# Altium PCB Pleiades_PP.PcbDoc (part 6 of 15) (continued)
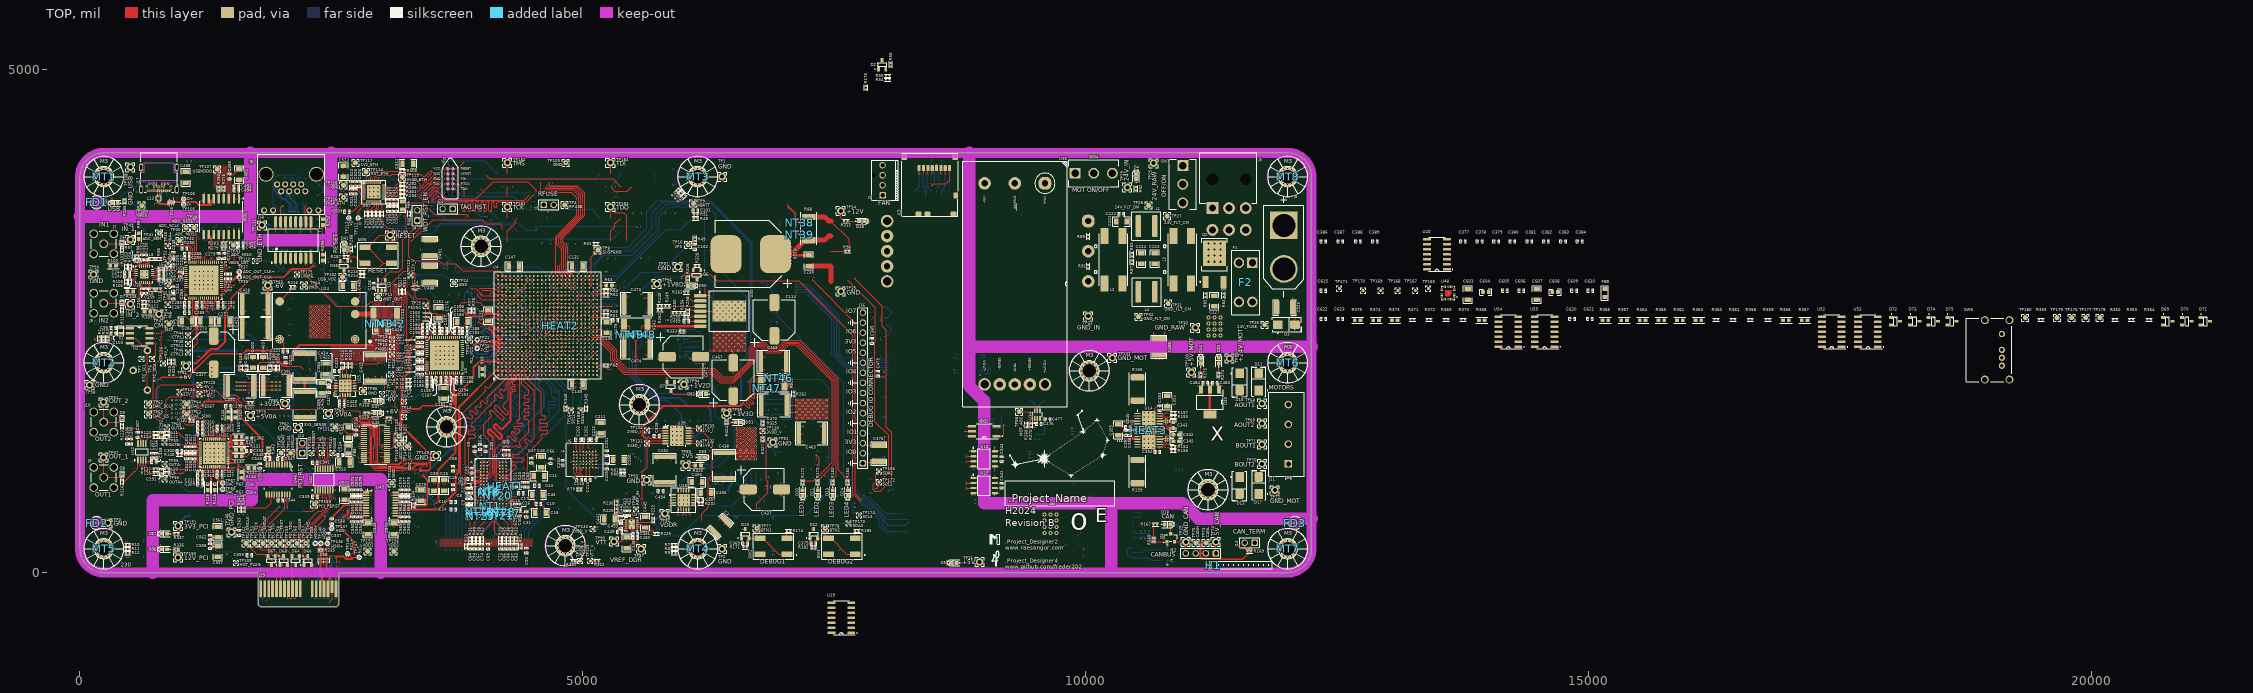
[diagram p0: TOP view]
## Nets (pads, with @x,y where several pads share a name; then routed paths per layer and width w, separated by ;. In a path a pad name is that pad's centre, name@x,y a point inside that pad or via, vN(x,y) a via of type N, cw(c..) or ccw(c..) an arc to the next point about the centre after c; other vN are vias at no path point) (continued)
\CF: U4.AA17 U6.D1 | length 2899.4
  TOP w5.95: v1(4990,1015) 4990,1030 U6.D1@5003.5,1043.5
  TOP w8.89: v1(4925.2,2574.8) U4.AA17@4944.88,2594.49
  IN2 w3.68: v1(4925.2,2574.8) 4896.67,2603.33 4818.33,2603.33 4755.74,2540.74 4755.74,2489.26 4793.85,2451.15 4793.85,1152.97 4810.09,1136.73 4810.09,1093.65 4810.09,1040.09 4793.85,1023.85 4793.85,1005.76 cw(c4783.02,1005.76) 4783.02,994.92 4759.58,994.92 ccw(c4759.58,984.08) 4759.58,973.24 4800.39,973.24 cw(c4800.39,962.4) 4800.39,951.56 4747.35,951.56 ccw(c4747.35,940.72) 4747.35,929.89 4800.39,929.89 cw(c4800.39,919.05) 4800.39,908.21 4747.35,908.21 ccw(c4747.35,897.37) 4747.35,886.53 4823.02,886.53 cw(c4823.02,875.69) 4823.02,864.85 4747.35,864.85 ccw(c4747.35,854.02) 4747.35,843.18 4819.16,843.18 cw(c4819.16,824.68) 4832.24,837.76 4834.08,835.92 4845,825 4970,825 5000,855 5000,975 4990,985 v1(4990,1015)
\CS: TP65.1 U4.R3 U11.33 | length 6853.3
  TOP w5: v1(2790,1525) 2860,1525 2945,1440 2945,1103.69 2976.69,1072 3174.57,1072 3196.07,1093.5 3447.81,1093.5 3451.31,1090 v1(3465,1090)
  TOP w8.89: U4.R3@4708.66,2043.31 v1(4728.35,2062.99)
  TOP w10: v1(1280,1405) 1280,1404.46 1278,1402.46 1278,1366.1 1285.59,1358.5 U11.33@1285.59,1327.01
  IN1 w5: v1(3465,1090) 3511.71,1090 3696.18,905.53 3696.18,903.82 3888.93,711.07 3888.93,624.74 4068.67,445 4589.69,445 4925,780.31 4925,1021.98 4936.26,1033.25 4936.26,1205.34 4925.25,1216.35 4925.25,1683.37 4870,1738.62 4870,1921.34 v1(4728.35,2062.99)
  IN1 w10: v1(680,1575) 975,1280 1212.15,1280 1279.91,1347.75 1279.91,1404.91 v1(1280,1405)
  IN2 w5: v1(1280,1405) 1380,1505 1970,1505 2008.36,1543.36 2771.64,1543.36 v1(2790,1525)
\DDR_CS: NT4.2 U1.L2 U4.K8 | length 2888.5
  TOP w8.89: v1(4000,763.78) U1.L2@4015.75,779.53 ; v1(4495,2225) 4495.59,2225.59 4497.25,2225.59 U4.K8@4511.81,2240.16
  IN2 w5.75: v1(4000,763.78) 3980.38,783.4 3980.38,1085.38 4047.48,1152.48 4047.48,1393.84 4047.48,1397.91 ccw(c4027.2,1397.91) 4041.55,1412.24 4023.3,1430.49 cw(c4031.7,1438.89) 4023.3,1447.29 cw(c4031.7,1438.89) 4040.1,1447.29 4077.81,1409.57 ccw(c4086.21,1417.97) 4094.61,1409.57 ccw(c4086.21,1417.97) 4094.61,1426.37 4056.9,1464.09 cw(c4065.29,1472.48) 4056.9,1480.88 cw(c4065.29,1472.48) 4073.69,1480.88 4111.41,1443.17 ccw(c4119.8,1451.57) 4128.2,1443.17 ccw(c4119.8,1451.57) 4128.2,1459.97 4090.49,1497.68 cw(c4098.89,1506.08) 4090.49,1514.48 cw(c4098.89,1506.08) 4107.29,1514.48 4145,1476.76 ccw(c4153.4,1485.16) 4161.8,1476.76 ccw(c4153.4,1485.16) 4161.8,1493.56 4124.08,1531.27 cw(c4132.48,1539.67) 4124.08,1548.07 cw(c4132.48,1539.67) 4140.88,1548.07 4178.59,1510.36 ccw(c4186.99,1518.76) 4195.39,1510.36 ccw(c4186.99,1518.76) 4195.39,1527.15 4157.68,1564.87 cw(c4166.08,1573.27) 4157.68,1581.66 cw(c4166.08,1573.27) 4174.48,1581.66 4212.19,1543.95 ccw(c4220.59,1552.35) 4228.99,1543.95 ccw(c4220.59,1552.35) 4228.99,1560.75 4191.27,1598.46 cw(c4199.67,1606.86) 4191.27,1615.26 cw(c4199.67,1606.86) 4208.07,1615.26 4245.78,1577.55 ccw(c4254.18,1585.94) 4262.58,1577.55 ccw(c4254.18,1585.94) 4262.58,1594.34 4224.87,1632.06 cw(c4233.26,1640.45) 4224.87,1648.85 cw(c4233.26,1640.45) 4241.66,1648.85 4279.38,1611.14 ccw(c4287.78,1619.54) 4296.17,1611.14 ccw(c4287.78,1619.54) 4296.17,1627.94 4258.46,1665.65 cw(c4266.86,1674.05) 4258.46,1682.45 cw(c4266.86,1674.05) 4275.26,1682.45 4312.97,1644.73 ccw(c4321.37,1653.13) 4329.77,1644.73 ccw(c4321.37,1653.13) 4329.77,1661.53 4296.99,1694.31 cw(c4305.39,1702.71) 4296.99,1711.1 cw(c4305.39,1702.71) 4313.79,1711.1 4326.93,1697.97 ccw(c4335.32,1706.36) 4343.72,1697.97 4426.31,1780.56 4426.31,1803.01 4426.31,2143.28 4442.64,2159.61 4456.55,2159.61 4470.63,2173.7 4470.63,2200.63 v1(4495,2225)
  BOT w8.89: NT4.2@3988.98,774.8 v1(4000,763.78)
\DDR_RESET: NT18.2 U1.T2 U4.B2 | length 2899.4
  TOP w8.89: NT18.2@3984.41,606.3 v1(4000,606.3) U1.T2@4015.75,622.05 ; v1(4177.17,2023.62) U4.B2@4196.85,2003.94
  IN2 w5.75: v1(4000,606.3) 4002.13,608.43 4031.57,608.43 4045,595 4045,580 4015,550 3957.8,550 3740,767.8 3740,1426.07 3764.63,1450.7 3766.67,1452.73 ccw(c3757.56,1461.84) 3766.67,1470.95 3765.24,1472.38 cw(c3774.34,1481.48) 3765.24,1490.59 cw(c3774.34,1481.48) 3783.45,1490.59 3805.22,1468.81 ccw(c3814.33,1477.92) 3823.44,1468.81 ccw(c3814.33,1477.92) 3823.44,1487.02 3801.66,1508.8 cw(c3810.77,1517.9) 3801.66,1527.01 cw(c3810.77,1517.9) 3819.87,1527.01 3841.65,1505.23 ccw(c3850.75,1514.34) 3859.86,1505.23 ccw(c3850.75,1514.34) 3859.86,1523.45 3838.08,1545.22 cw(c3847.19,1554.33) 3838.08,1563.43 cw(c3847.19,1554.33) 3856.29,1563.43 3878.07,1541.66 ccw(c3887.17,1550.76) 3896.28,1541.66 ccw(c3887.17,1550.76) 3896.28,1559.87 3874.5,1581.64 cw(c3883.61,1590.75) 3874.5,1599.86 cw(c3883.61,1590.75) 3892.72,1599.86 3914.49,1578.08 ccw(c3923.6,1587.19) 3932.7,1578.08 ccw(c3923.6,1587.19) 3932.7,1596.29 3910.93,1618.07 cw(c3920.03,1627.17) 3910.93,1636.28 cw(c3920.03,1627.17) 3929.14,1636.28 3950.91,1614.5 ccw(c3960.02,1623.61) 3969.13,1614.5 ccw(c3960.02,1623.61) 3969.13,1632.71 3947.35,1654.49 cw(c3956.46,1663.59) 3947.35,1672.7 cw(c3956.46,1663.59) 3965.56,1672.7 3987.34,1650.92 ccw(c3996.44,1660.03) 4005.55,1650.92 ccw(c3996.44,1660.03) 4005.55,1669.14 3983.77,1690.91 cw(c3992.88,1700.02) 3983.77,1709.12 cw(c3992.88,1700.02) 4001.98,1709.12 4023.76,1687.35 ccw(c4032.86,1696.45) 4041.97,1687.35 ccw(c4032.86,1696.45) 4041.97,1705.56 4020.19,1727.33 cw(c4029.3,1736.44) 4020.19,1745.55 cw(c4029.3,1736.44) 4038.41,1745.55 4060.18,1723.77 ccw(c4069.29,1732.88) 4078.39,1723.77 ccw(c4069.29,1732.88) 4078.39,1741.98 4056.62,1763.76 cw(c4065.72,1772.86) 4056.62,1781.97 cw(c4065.72,1772.86) 4074.83,1781.97 4096.6,1760.19 ccw(c4105.71,1769.3) 4114.82,1760.19 ccw(c4105.71,1769.3) 4114.82,1778.4 4094.47,1798.75 cw(c4103.57,1807.86) 4094.47,1816.96 cw(c4103.57,1807.86) 4112.68,1816.96 ccw(c4121.79,1826.07) 4130.89,1816.96 4187.39,1873.45 4240,1926.07 4240,1998.62 4214.8,2023.82 4177.37,2023.82 v1(4177.17,2023.62)
\ENABLE_13: R153.2 U13.6 U14.26 | length 2690.4
  TOP w10: U14.26@10735.24,1530.16 10760.83,1530.16 10780.67,1550 R153.2@10855,1550
  IN1 w10: 8456.52,1143.33 8703.33,1143.33 8893,1333 10059.41,1333 10141.41,1415 10226.42,1415 ; 10226.45,1415.03 10345.03,1415.03 10405,1475 10642.32,1475 10698.23,1530.91 10858.41,1530.91
  other v1: 10825,1550
\ENABLE_ISO: U4.V8 U13.3 | length 3921.4
  TOP w8.89: U4.V8@4826.77,2240.16 v1(4846.46,2259.84)
  IN1 w5: v1(4846.46,2259.84) 4874.33,2231.97 4976.17,2231.97 5159.65,2048.5 5686.5,2048.5 6185,1550 6791.31,1550 7241.31,1100 7300,1100 v1(7330,1070)
  IN2 w5: v1(7330,1070) 7630,1070 7690,1130 7835,1130 7870,1165 8130,1165
  BOT w5: v1(8810,900.31) 8820,890.31 U13.3@8883.7,890.31
\HOME_13: Q3.1 R162.2 U14.2 | length 62.6
  BOT w10: R162.2@9085.63,1470 Q3.1@9085.63,1532.6
\HOME_ISO: ISO1.4 U4.U9 | length 3987.6
  TOP w5: v1(8786.61,1405) ISO1.4@8830,1405
  TOP w8.89: U4.U9@4787.4,2279.53 v1(4807.09,2299.21)
  IN1 w5: v1(4807.09,2299.21) 4830.19,2299.21 4884.41,2245 5002.52,2245 5172.52,2075 5716.76,2075 6178.26,1613.5 6556.5,1613.5 6595,1575 6785,1575 7245,1115 7405,1115 7412.5,1107.5 v1(7415,1107.5)
  IN2 w5: v1(7415,1107.5) 7542.5,1107.5 7680,1245 7946.61,1245 8106.61,1405
\IMU_CS: TP170.1 U4.M6 U48.22
\IRQ: U4.N7 U11.34 | length 6436.8
  TOP w5: v1(2715,1470) 2716.34,1471.34 2725.83,1471.34 2729.99,1475.5 2781.45,1475.5 2785.95,1480 2855,1480 2905,1430 2905,1365 2895,1355 2895,1080 2940,1035 3320,1035 3354.5,1069.5 3410.5,1069.5 v1(3428.03,1051.97)
  TOP w8.89: U4.N7@4629.92,2200.79 v1(4649.61,2181.1)
  TOP w10: v1(1265.91,1353.55) 1265.91,1327.01 U11.34@1266.1,1326.81
  IN1 w5: v1(3428.03,1051.97) 3428.03,1048.03 3425,1045 3425,1015 3683.39,756.61 3683.39,715.34 3816.78,581.95 3818.05,581.95 4015,385 4645,385 5005,745 5005,1152.76 4992,1165.76 4992,1703 4910,1785 4910,1976.34 4781.6,2104.74 4760.26,2104.74 4715.27,2149.73 4704.08,2149.73 4672.71,2181.1 v1(4649.61,2181.1)
  IN2 w5: v1(1265.91,1353.55) 1298.08,1353.55 1310.3,1341.32 1420.04,1341.32 1435.22,1356.5 2071.5,1356.5 2103.77,1388.77 2103.77,1443.77 2128.5,1468.5 2226.5,1468.5 2265,1430 2675,1430 v1(2715,1470)
\PCI_PERST_18: D65.2 J19.A11 TP159.1 U44.5 | length 1218.9
  BOT w5.96: J19.A11@2190.94,-161.42 2190.94,-93.69 2269.63,-15 2320,-15 2344.85,9.85 2344.85,80.39 2366.46,102 2397,102 2422,127 2422,172 2410.98,183.02 2404.98,183.02 2309.06,278.94 2309.06,309.56 2330,330.5 v1(2330,680) 2331.16,681.16 2335.46,681.16 2412.5,758.19 U44.5@2412.5,818.7
\PCI_RST: J24.2 R67.2 | length 91
  BOT w10: R67.2@2120,1287.5 2121.25,1286.25 2208.75,1286.25 J24.2@2210,1285
\PCI_TRST: J24.1 U44.14 | length 425.2
  BOT w5: J24.1@2210,1185 2210,1088.39 2305.39,993 2459.57,993 2462.5,995.93 U44.14@2462.5,1031.3
\PCI_TRST_18: D64.2 J19.B9 TP158.1 U44.4 | length 1307.6
  TOP w5.95: D64.2@2108,166 2108,172 TP158.1@1990,290 2075.49,375.49 2195.64,375.49 2462.5,642.35 2462.5,689.11 2455,696.61 v1(2455,745)
  TOP w5.96: D64.2@2108,166 2107.52,165.52 2107.52,35.95 2112.2,31.27 J19.B9@2112.2,-161.42
  BOT w5.95: U44.4@2437.5,818.7 2437.5,762.5 v1(2455,745)
\PCI_WAKE_18: D66.2 J19.B11 TP160.1 U44.3 | length 1232.7
  TOP w5.96: J19.B11@2190.94,-161.42 2190.94,-43.06 2302,68 D66.2@2302,74 2302,80 2219,163 2219,231 TP160.1@2160,290 2167.87,297.87 2195.57,297.87 2437.5,539.81 v1(2437.5,565.07)
  BOT w5.96: v1(2437.5,565.07) 2469.98,597.55 2469.98,761.43 2462.5,768.91 U44.3@2462.5,818.7
\PD2_11: U10.14 U10.20 | length 555.3
  TOP w6: U10.20@669.53,3045.71 669.53,3068.31 680.21,3079 v1(680.21,3173.21) ; U10.14@720.71,2935.47 743.31,2935.47 750.59,2928.2 809.72,2928.2 v1(810,2928.48)
  IN1 w6: v1(680.21,3173.21) 680.21,3002.82 754.55,2928.48 v1(810,2928.48)
\PERST_PCI: TP142.1 U4.G8 U44.12 | length 2793.3
  TOP w8.89: v1(4374.02,2220.47) U4.G8@4393.7,2240.16
  TOP w10: TP142.1@2410,1190 2412.12,1187.88 2412.12,1140.38 v1(2412.5,1140)
  IN2 w5: v1(2412.5,1140) 2493.74,1140 2512.24,1158.5 2559.51,1158.5 2582.01,1181 2655.24,1181 2775.24,1301 2849.92,1301 2870.46,1321.54 2976.54,1321.54 3303.62,1648.62 3374.88,1648.62 3594,1867.74 3594,1880.26 3928.24,2214.5 4004.5,2214.5 4023.05,2233.05 4050.69,2233.05 4060.24,2223.5 4185.45,2223.5 4199.98,2208.97 4303.46,2208.97 4371.83,2277.34 4420.63,2277.34 4430.89,2267.09 4430.89,2252.59 4414.82,2236.53 4390.08,2236.53 v1(4374.02,2220.47)
  BOT w10: U44.12@2412.5,1031.3 v1(2412.5,1140)
\PLL_SYNC: TP15.1 U4.H17 U5.14 | length 1492.3
  TOP w3.74: TP15.1@3440,2655 3440,2550 ; U5.14@3516.73,2336.18 3516.73,2438.65 3440,2515.39 3440,2550 ; v1(4015,2645) 3975,2685 3805,2685 3684.91,2564.91 3545.25,2564.91 3530.34,2550 3440,2550
  TOP w8.89: U4.H17@4433.07,2594.49 v1(4452.76,2614.17)
  BOT w3.74: v1(4015,2645) 4126.73,2645 4143.68,2628.04 4257.52,2628.04 4280.24,2605.32 4307.92,2605.32 4318.24,2595 4433.58,2595 v1(4452.76,2614.17)
\PRSNT_PCI: TP143.1 U4.F7 U44.11 | length 3044.2
  TOP w8.89: U4.F7@4354.33,2200.79 v1(4374.02,2181.1)
  TOP w10: v1(2292,1143) 2292,1143.54 2305,1156.54 TP143.1@2305,1190
  IN2 w5: v1(2292,1143) 2399.23,1143 2485.48,1229.24 2690.7,1229.24 2732.07,1270.61 2732.07,1283.49 2795.32,1346.74 2959.51,1346.74 3287.77,1675 3335,1675 3470,1810 3490,1810 3520,1840 3520,1861.26 3693.74,2035 3735,2035 3941.5,2241.5 3967.24,2241.5 3973.74,2235 4012.5,2235 4024,2246.5 4298.2,2246.5 4337.04,2285.34 4429.66,2285.34 4438.89,2276.11 4438.89,2245.97 v1(4374.02,2181.1)
  BOT w10: v1(2292,1143) 2363,1143 2387.5,1118.49 U44.11@2387.5,1031.3
\RAS: NT6.2 U1.J3 U4.K7 | length 2899.4
  TOP w8.89: U1.J3@4047.24,842.52 v1(4062.99,826.77) NT6.2@4074.02,815.75 ; U4.K7@4511.81,2200.79 v1(4531.5,2220.47)
  IN2 w5.75: v1(4062.99,826.77) 4191.22,955 4289.69,955 4610,1275.31 4610,1436.41 4610,1439.29 ccw(c4597.12,1439.29) 4597.12,1452.16 4589.12,1452.16 cw(c4589.12,1465.04) 4589.12,1477.92 4637.12,1477.92 ccw(c4637.12,1490.8) 4637.12,1503.67 4589.12,1503.67 cw(c4589.12,1516.55) 4589.12,1529.43 4637.12,1529.43 ccw(c4637.12,1542.31) 4637.12,1555.18 4589.12,1555.18 cw(c4589.12,1568.06) 4589.12,1580.94 4637.12,1580.94 ccw(c4637.12,1593.81) 4637.12,1606.69 4589.12,1606.69 cw(c4589.12,1619.57) 4589.12,1632.45 4637.12,1632.45 ccw(c4637.12,1645.32) 4637.12,1658.2 4589.12,1658.2 cw(c4589.12,1671.08) 4589.12,1683.96 4637.12,1683.96 ccw(c4637.12,1696.83) 4637.12,1709.71 4589.12,1709.71 cw(c4589.12,1722.59) 4589.12,1735.47 4637.12,1735.47 ccw(c4637.12,1748.34) 4637.12,1761.22 4589.12,1761.22 cw(c4589.12,1774.1) 4589.12,1786.97 4637.12,1786.97 ccw(c4637.12,1799.85) 4637.12,1812.73 4589.12,1812.73 cw(c4589.12,1825.61) 4589.12,1838.48 4637.12,1838.48 ccw(c4637.12,1851.36) 4637.12,1864.24 4593.33,1864.24 cw(c4593.33,1877.12) 4593.33,1889.99 4622.88,1889.99 ccw(c4622.88,1902.87) 4622.88,1915.75 cw(c4622.88,1928.62) 4610,1928.62 4610,1955 4590,1975 4590,1980.43 4590,2027.06 4513.62,2103.44 4513.62,2149.14 4524.09,2159.61 4546,2159.61 4549.37,2162.98 4549.37,2202.6 v1(4531.5,2220.47)
\RESET_13: R154.2 U13.7 U14.17 | length 2503.9
  TOP w10: U14.17@10735.24,1299.84 10760.83,1299.84 10783.59,1277.07 10825.43,1277.07 R154.2@10852.5,1250
  IN1 w10: 8456.52,1114.89 9174.89,1114.89 9320,1260 10089.81,1260 10224.81,1395 10396.62,1395 10436.62,1355 10570,1355 10625.16,1299.84 10667.11,1299.84
  other v1: 10804.51,1277.07
\RESET_ISO: U4.V10 U13.2 | length 4053.5
  TOP w5: v1(7315,1170) 7350,1135 v1(7350,1025)
  TOP w8.89: U4.V10@4826.77,2318.9 v1(4846.46,2338.58)
  IN1 w5: v1(4846.46,2338.58) 4905.04,2280 5045.02,2280 5210.02,2115 5470,2115 5485,2130 5715,2130 5755,2090 5860,2090 6276.63,1673.37 6761.63,1673.37 6989.25,1445.75 6989.25,1435.75 6994.5,1430.5 6994.5,1430.24 7001.24,1423.5 7001.5,1423.5 7255,1170 v1(7315,1170)
  IN2 w5: v1(7350,1025) 8040,1025 8130,1115
  BOT w5: v1(8810,850.31) 8820,840.31 U13.2@8883.7,840.31
\RST_DAC: R132.2 TP64.1 U4.P7 U11.36 | length 7078.8
  TOP w5: v1(2735,1460) 2785,1460 2795,1470 2846.39,1470 2885,1431.39 2885,1065 2935,1015 3199.49,1015 3203.99,1019.5 3352.8,1019.5 3367.27,1033.97 3383.97,1033.97 v1(3400,1050)
  TOP w8.89: U4.P7@4669.29,2200.79 v1(4688.98,2181.1)
  TOP w10: TP64.1@1060,1675 1025,1640 1025,1495 1050,1470 1119.46,1470 1129.46,1480 v1(1130,1480) 1129.62,1480.38 1129.62,1512.88 R132.2@1127.5,1515 ; v1(1204.23,1326.81) U11.36@1226.73,1326.81
  IN1 w5: v1(3400,1050) 3400,1025 3438.5,986.5 3438.5,914.62 3709,644.12 3709,612.24 3965.02,356.22 4641.22,356.22 5021,736 5021,1023.5 5030.75,1033.25 5030.75,1158.5 5021.52,1167.74 5012,1167.74 5001.75,1177.99 5001.75,1205.24 5015,1218.49 5015,1285.23 5005.25,1294.98 5005.25,1315.25 5015,1325 5015,1705 4945,1775 4945,1980.71 4805.71,2120 4757.54,2120 4696.44,2181.1 v1(4688.98,2181.1)
  IN2 w5: v1(1204.23,1326.81) 1674.5,1326.81 1696.31,1305 2050,1305 2151.5,1406.5 2681.5,1406.5 v1(2735,1460)
  BOT w10: v1(1130,1480) 1130,1375.96 1179.15,1326.81 v1(1204.23,1326.81)
\RST_ETH_17: C511.1 D43.1 D46.1 R308.2 TP114.1 U37.32 | length 1104.6
  TOP w10: U37.32@2852.56,3881.3 2852.48,3881.38 v1(2852.48,3929.45) 2852.48,3977.52 TP114.1@2845,3985 2850.62,3990.62 3183.12,3990.62 R308.2@3187.5,3995 3187.5,4020 3190.31,4022.81 3190.31,4048.31 C511.1@3207,4065
  BOT w10: v1(2852.48,3929.45) 2830,3951.93 2830,4030 2840.19,4040.19 2959.81,4040.19 2976.5,4023.5 2976.5,4017.5 3014,3980 D43.1@3020,3980 ; D43.1@3026,3980 3093,3913 3138,3913 3205,3846 D46.1@3205,3840
\SENSE_CS: R312.2 U4.B6 U40.31 | length 1686.6
  TOP w8.89: U4.B6@4196.85,2161.42 v1(4216.54,2141.73)
  TOP w10: U40.31@3050.63,1313.35 v1(3094.72,1313.35) ; v1(3150,1315) 3150.38,1314.62 3232.88,1314.62 R312.2@3235,1312.5
  IN2 w6: v1(3150,1315) 3285,1315 3410,1440 3410,1515 3552.51,1657.51 3597.51,1657.51 3797.85,1857.85 3797.85,1891.64 4026.21,2120 4194.8,2120 v1(4216.54,2141.73)
  BOT w10: v1(3094.72,1313.35) 3148.35,1313.35 v1(3150,1315)
\SLEEP_13: R157.1 U14.27 U17.6 | length 2666.2
  TOP w10: U14.27@10735.24,1555.75 10760.83,1555.75 10795.08,1590 R157.1@10855,1590
  IN1 w10: 8456.52,1408.33 8718.32,1670.14 10749.86,1670.14 10842.1,1577.9
  other v1: 10825.04,1590
\SLEEP_ISO: U4.T10 U17.3 | length 4129.3
  TOP w8.89: v1(4728.35,2338.58) U4.T10@4748.03,2318.9
  IN1 w5: v1(4728.35,2338.58) 4751.45,2338.58 4779.32,2310.71 4851.22,2310.71 4891.93,2270 5016.89,2270 5186.89,2100 5491.75,2100 5508.25,2116.5 5703.5,2116.5 6185,1635 6738.94,1635 7223.94,1150 v1(7425,1150)
  IN2 w5: v1(7425,1150) 7535,1150 7720,1335 7815,1335 7910,1430 8130,1430
  BOT w5: v1(8810,1165) 8820,1155 U17.3@8883.7,1155
\TAG_RST: J22.2 R68.2 | length 91
  BOT w12: R68.2@3515,3617.5 3516.25,3616.25 3603.75,3616.25 J22.2@3605,3615
\TAG_TRST_7: J20.9 J22.1 | length 646.1
  TOP w10: J20.9@3710,3965 v1(3732.5,3965)
  IN2 w10: J22.1@3705,3615 3721.77,3631.77 3791.77,3631.77 3920,3760 3920,3890 3845,3965 v1(3732.5,3965)
\VBUS_DETECT_16: ISO3.4 Q5.1 | length 199.6
  BOT w6: Q5.1@1257.4,3355.63 1391.13,3355.63 1405,3369.5 ISO3.4@1405,3415.75
\WAKE_PCI: TP141.1 U4.C7 U44.13 | length 2409.5
  TOP w8.89: v1(4216.54,2181.1) U4.C7@4236.22,2200.79
  TOP w10: v1(2515,1145) TP141.1@2515,1190
  IN2 w5: v1(2515,1145) 2558.03,1145 2582.61,1169.58 2677.61,1169.58 2800.53,1292.5 2977.5,1292.5 3155,1470 3218.84,1470 3955.34,2206.5 4056.5,2206.5 4065.02,2215.02 4099.98,2215.02 ; 4100,2215 4182.64,2215 4191.14,2206.5 v1(4216.54,2181.1)
  BOT w10: U44.13@2437.5,1031.3 2437.5,1122.29 2460.21,1145 v1(2515,1145)
\WDT_EN: R57.2 U3.3 U4.A25 | length 1233.2
  TOP w8.89: v1(4137.8,2929.13) U4.A25@4157.48,2909.45
  TOP w10: U3.3@3037,2804 3037,2812 v1(3062.5,2837.5)
  BOT w10: R57.2@3040,2837.5 v1(3062.5,2837.5) 3185,2960 3615,2960 3645.87,2929.13 v1(4137.8,2929.13)
\WE: NT10.2 U1.L3 U4.E4 | length 2887.5
  TOP w8.89: U1.L3@4047.24,779.53 v1(4094.49,732.28) ; v1(4295.28,2062.99) U4.E4@4314.96,2082.68
  IN2 w5.75: v1(4094.49,732.28) 4135,691.77 4135,570 4050,485 3815,485 3812.97,487.03 3757.58,542.42 ccw(c3751.3,536.14) 3745.02,542.42 3742.12,539.51 cw(c3735.84,545.79) 3729.56,539.51 cw(c3735.84,545.79) 3729.56,552.07 3732.47,554.98 ccw(c3726.19,561.25) 3732.47,567.53 3720,580 3720,596.79 3720,615 3490,845 3490,1203.48 3635,1348.48 3635,1659 4061,2085 4272.09,2085 4294.09,2062.99 v1(4295.28,2062.99)
  BOT w8.89: v1(4094.49,732.28) NT10.2@4094.49,747.87
A0: NT1.2 U1.N3 U4.K10 | length 2899.4
  TOP w8.89: U1.N3@4047.24,716.54 v1(4078.74,685.04) NT1.2@4078.74,669.45 ; v1(4492.13,2299.21) U4.K10@4511.81,2318.9
  IN2 w5.75: v1(4078.74,685.04) 4078.74,686.66 4070.87,694.53 4070.87,756.95 4091.03,777.12 4445.64,777.12 4492.12,777.12 4505.66,790.66 cw(c4517.24,779.08) 4528.82,790.66 4529.06,790.41 ccw(c4540.64,801.99) 4552.22,790.41 ccw(c4540.64,801.99) 4552.22,813.57 4491.99,873.81 cw(c4503.57,885.39) 4491.99,896.97 cw(c4503.57,885.39) 4515.15,896.97 4555.4,856.71 ccw(c4566.98,868.3) 4578.56,856.71 ccw(c4566.98,868.3) 4578.56,879.88 4538.31,920.13 cw(c4549.89,931.71) 4538.31,943.29 cw(c4549.89,931.71) 4561.47,943.29 4621.7,883.06 ccw(c4633.29,894.64) 4644.87,883.06 ccw(c4633.29,894.64) 4644.87,906.22 4611.87,939.21 cw(c4623.45,950.79) 4611.87,962.37 cw(c4623.45,950.79) 4635.03,962.37 4667.78,929.62 ccw(c4679.36,941.2) 4690.95,929.62 ccw(c4679.36,941.2) 4690.95,952.78 cw(c4702.53,964.36) 4690.94,975.94 4767.8,1052.8 4785,1070 4785,2025 4549.37,2260.63 4549.37,2267.25 4538.9,2277.72 4513.62,2277.72 v1(4492.13,2299.21)
A1: NT3.2 U1.P7 U4.L9 | length 2926
  TOP w8.89: v1(4157.48,669.29) U1.P7@4173.23,685.04 ; U4.L9@4551.18,2279.53 v1(4570.87,2259.84)
  IN1 w5.75: v1(4157.48,669.29) 4474.29,669.29 4680,875 4680,882.69 4680,918.33 cw(c4696.38,918.33) 4696.38,934.7 4761.33,934.7 ccw(c4761.33,951.08) 4761.33,967.46 4673.67,967.46 cw(c4673.67,983.83) 4673.67,1000.21 4761.33,1000.21 ccw(c4761.33,1016.59) 4761.33,1032.97 4673.67,1032.97 cw(c4673.67,1049.34) 4673.67,1065.72 4761.33,1065.72 ccw(c4761.33,1082.1) 4761.33,1098.48 4673.67,1098.48 cw(c4673.67,1114.85) 4673.67,1131.23 4716.76,1131.23 ccw(c4716.76,1147.61) 4716.76,1163.98 4696.38,1163.98 cw(c4696.38,1180.36) 4680,1180.36 4680,1295.49 4680,1941.81 4586.31,2035.5 4536.6,2085.21 4514.79,2085.21 4470,2130 4470,2175.77 4553.23,2259.01 4570.03,2259.01 v1(4570.87,2259.84)
  BOT w8.89: v1(4157.48,669.29) NT3.2@4173.07,669.29
A2: NT5.2 U1.P3 U4.K9 | length 2887.5
  TOP w8.89: v1(4031.5,669.29) U1.P3@4047.24,685.04 ; U4.K9@4511.81,2279.53 v1(4531.5,2259.84)
  IN2 w5.75: v1(4031.5,669.29) 4034.81,669.29 4039.77,674.25 4039.97,674.25 4058.53,692.81 4058.53,768.97 4099.92,810.36 4344.14,810.36 4699.2,1165.41 4715,1181.22 4715,1217.42 cw(c4731.38,1217.42) 4731.38,1233.8 4738.62,1233.8 ccw(c4738.62,1250.18) 4738.62,1266.55 4709.02,1266.55 cw(c4709.02,1282.93) 4709.02,1299.31 4738.62,1299.31 ccw(c4738.62,1315.69) 4738.62,1332.06 4709.02,1332.06 cw(c4709.02,1348.44) 4709.02,1364.82 4738.62,1364.82 ccw(c4738.62,1381.2) 4738.62,1397.57 4709.02,1397.57 cw(c4709.02,1413.95) 4709.02,1430.33 4738.62,1430.33 ccw(c4738.62,1446.71) 4738.62,1463.08 4709.02,1463.08 cw(c4709.02,1479.46) 4709.02,1495.84 4738.62,1495.84 ccw(c4738.62,1512.21) 4738.62,1528.59 4709.02,1528.59 cw(c4709.02,1544.97) 4709.02,1561.35 4738.62,1561.35 ccw(c4738.62,1577.72) 4738.62,1594.1 4709.02,1594.1 cw(c4709.02,1610.48) 4709.02,1626.86 4738.62,1626.86 ccw(c4738.62,1643.23) 4738.62,1659.61 4709.02,1659.61 cw(c4709.02,1675.99) 4709.02,1692.36 4738.14,1692.36 ccw(c4738.14,1708.74) 4738.14,1725.12 4731.38,1725.12 cw(c4731.38,1741.5) 4715,1741.5 4715,1911.34 4715,1980.8 4684.06,2011.74 4672.99,2022.81 4672.99,2062.86 4638.68,2097.18 4638.68,2130.09 4558.99,2209.78 4558.99,2232.35 v1(4531.5,2259.84)
  BOT w8.89: v1(4031.5,669.29) NT5.2@4042.52,658.27
A3: NT7.2 U1.N2 U4.J7 | length 2887.5
  TOP w8.89: v1(4000,700.79) U1.N2@4015.75,716.54 ; v1(4445.12,2181.1) 4445.72,2181.7 4453.35,2181.7 U4.J7@4472.44,2200.79
  IN2 w5.75: v1(4000,700.79) 3999.68,701.11 3986.9,701.11 3935,753 3935,816.77 3945,826.77 3945,1101.2 3949.11,1105.32 3955.76,1111.97 ccw(c3946.66,1121.07) 3946.66,1133.95 3944.07,1133.95 cw(c3944.07,1146.83) 3944.07,1159.7 4005.15,1159.7 ccw(c4005.15,1172.58) 4005.15,1185.46 3944.07,1185.46 cw(c3944.07,1198.34) 3944.07,1211.21 4005.15,1211.21 ccw(c4005.15,1224.09) 4005.15,1236.97 3944.07,1236.97 cw(c3944.07,1249.84) 3944.07,1262.72 4005.15,1262.72 ccw(c4005.15,1275.6) 4005.15,1288.48 3944.07,1288.48 cw(c3944.07,1301.35) 3944.07,1314.23 4005.15,1314.23 ccw(c4005.15,1327.11) 4005.15,1339.99 3944.07,1339.99 cw(c3944.07,1352.86) 3944.07,1365.74 4000.03,1365.74 ccw(c4000.03,1378.62) 4000.03,1391.49 3958,1391.49 cw(c3958,1404.37) 3958,1417.25 ccw(c3958,1430.13) 3970.87,1430.13 3970.87,1430.87 3987.32,1447.32 4282.09,1742.09 4284.13,1744.13 ccw(c4275.73,1752.53) 4284.13,1760.93 4283.1,1761.95 cw(c4291.5,1770.35) 4283.1,1778.75 cw(c4291.5,1770.35) 4299.9,1778.75 4337.2,1741.44 ccw(c4345.6,1749.84) 4354,1741.44 ccw(c4345.6,1749.84) 4354,1758.24 4316.7,1795.54 cw(c4325.1,1803.94) 4316.7,1812.34 cw(c4325.1,1803.94) 4333.5,1812.34 4370.8,1775.04 ccw(c4379.2,1783.44) 4387.59,1775.04 ccw(c4379.2,1783.44) 4387.59,1791.84 4357.06,1822.37 cw(c4365.46,1830.77) 4357.06,1839.17 cw(c4365.46,1830.77) 4373.86,1839.17 4386.76,1826.26 ccw(c4395.16,1834.66) 4403.56,1826.26 ccw(c4395.16,1834.66) 4403.56,1843.06 cw(c4411.96,1851.46) 4400.08,1851.46 4400.08,1897.41 4400.08,2153.36 4415.94,2169.22 4432.07,2169.22 4443.94,2181.1 v1(4445.12,2181.1)
  BOT w8.89: NT7.2@3988.98,689.76 v1(4000,700.79)
A4: NT9.2 U1.P8 U4.G5 | length 2926
  TOP w8.89: U1.P8@4204.72,685.04 v1(4220.47,700.79) ; U4.G5@4393.7,2122.05 v1(4413.39,2102.36)
  IN1 w5.75: v1(4220.47,700.79) 4139.6,781.66 4139.6,909.26 4183.1,952.76 4259.93,952.76 4298.98,991.8 4299.38,992.21 4299.55,992.38 4299.55,1027.84 cw(c4315.93,1027.84) 4315.93,1044.22 4375.9,1044.22 ccw(c4375.9,1060.6) 4375.9,1076.97 4313.18,1076.97 cw(c4313.18,1093.35) 4313.18,1109.73 4375.9,1109.73 ccw(c4375.9,1126.1) 4375.9,1142.48 4313.18,1142.48 cw(c4313.18,1158.86) 4313.18,1175.24 4375.9,1175.24 ccw(c4375.9,1191.61) 4375.9,1207.99 4313.18,1207.99 cw(c4313.18,1224.37) 4313.18,1240.75 4375.9,1240.75 ccw(c4375.9,1257.12) 4375.9,1273.5 4313.18,1273.5 cw(c4313.18,1289.88) 4313.18,1306.25 4375.9,1306.25 ccw(c4375.9,1322.63) 4375.9,1339.01 4313.18,1339.01 cw(c4313.18,1355.39) 4313.18,1371.76 4375.9,1371.76 ccw(c4375.9,1388.14) 4375.9,1404.52 4313.18,1404.52 cw(c4313.18,1420.9) 4313.18,1437.27 4375.9,1437.27 ccw(c4375.9,1453.65) 4375.9,1470.03 4313.18,1470.03 cw(c4313.18,1486.4) 4313.18,1502.78 4353.35,1502.78 ccw(c4353.35,1519.16) 4353.35,1535.54 4315.93,1535.54 cw(c4315.93,1551.91) 4299.55,1551.91 4299.55,1580.88 4355,1636.33 4355,1659.42 4355,2069.26 4370.95,2085.21 4396.23,2085.21 v1(4413.39,2102.36)
  BOT w8.89: v1(4220.47,700.79) NT9.2@4231.5,689.76